# KiCad board DemoBoy.kicad_pcb
title: NES DemoBoy II; date: 2025-11-02; rev: A; company: Richard Weick
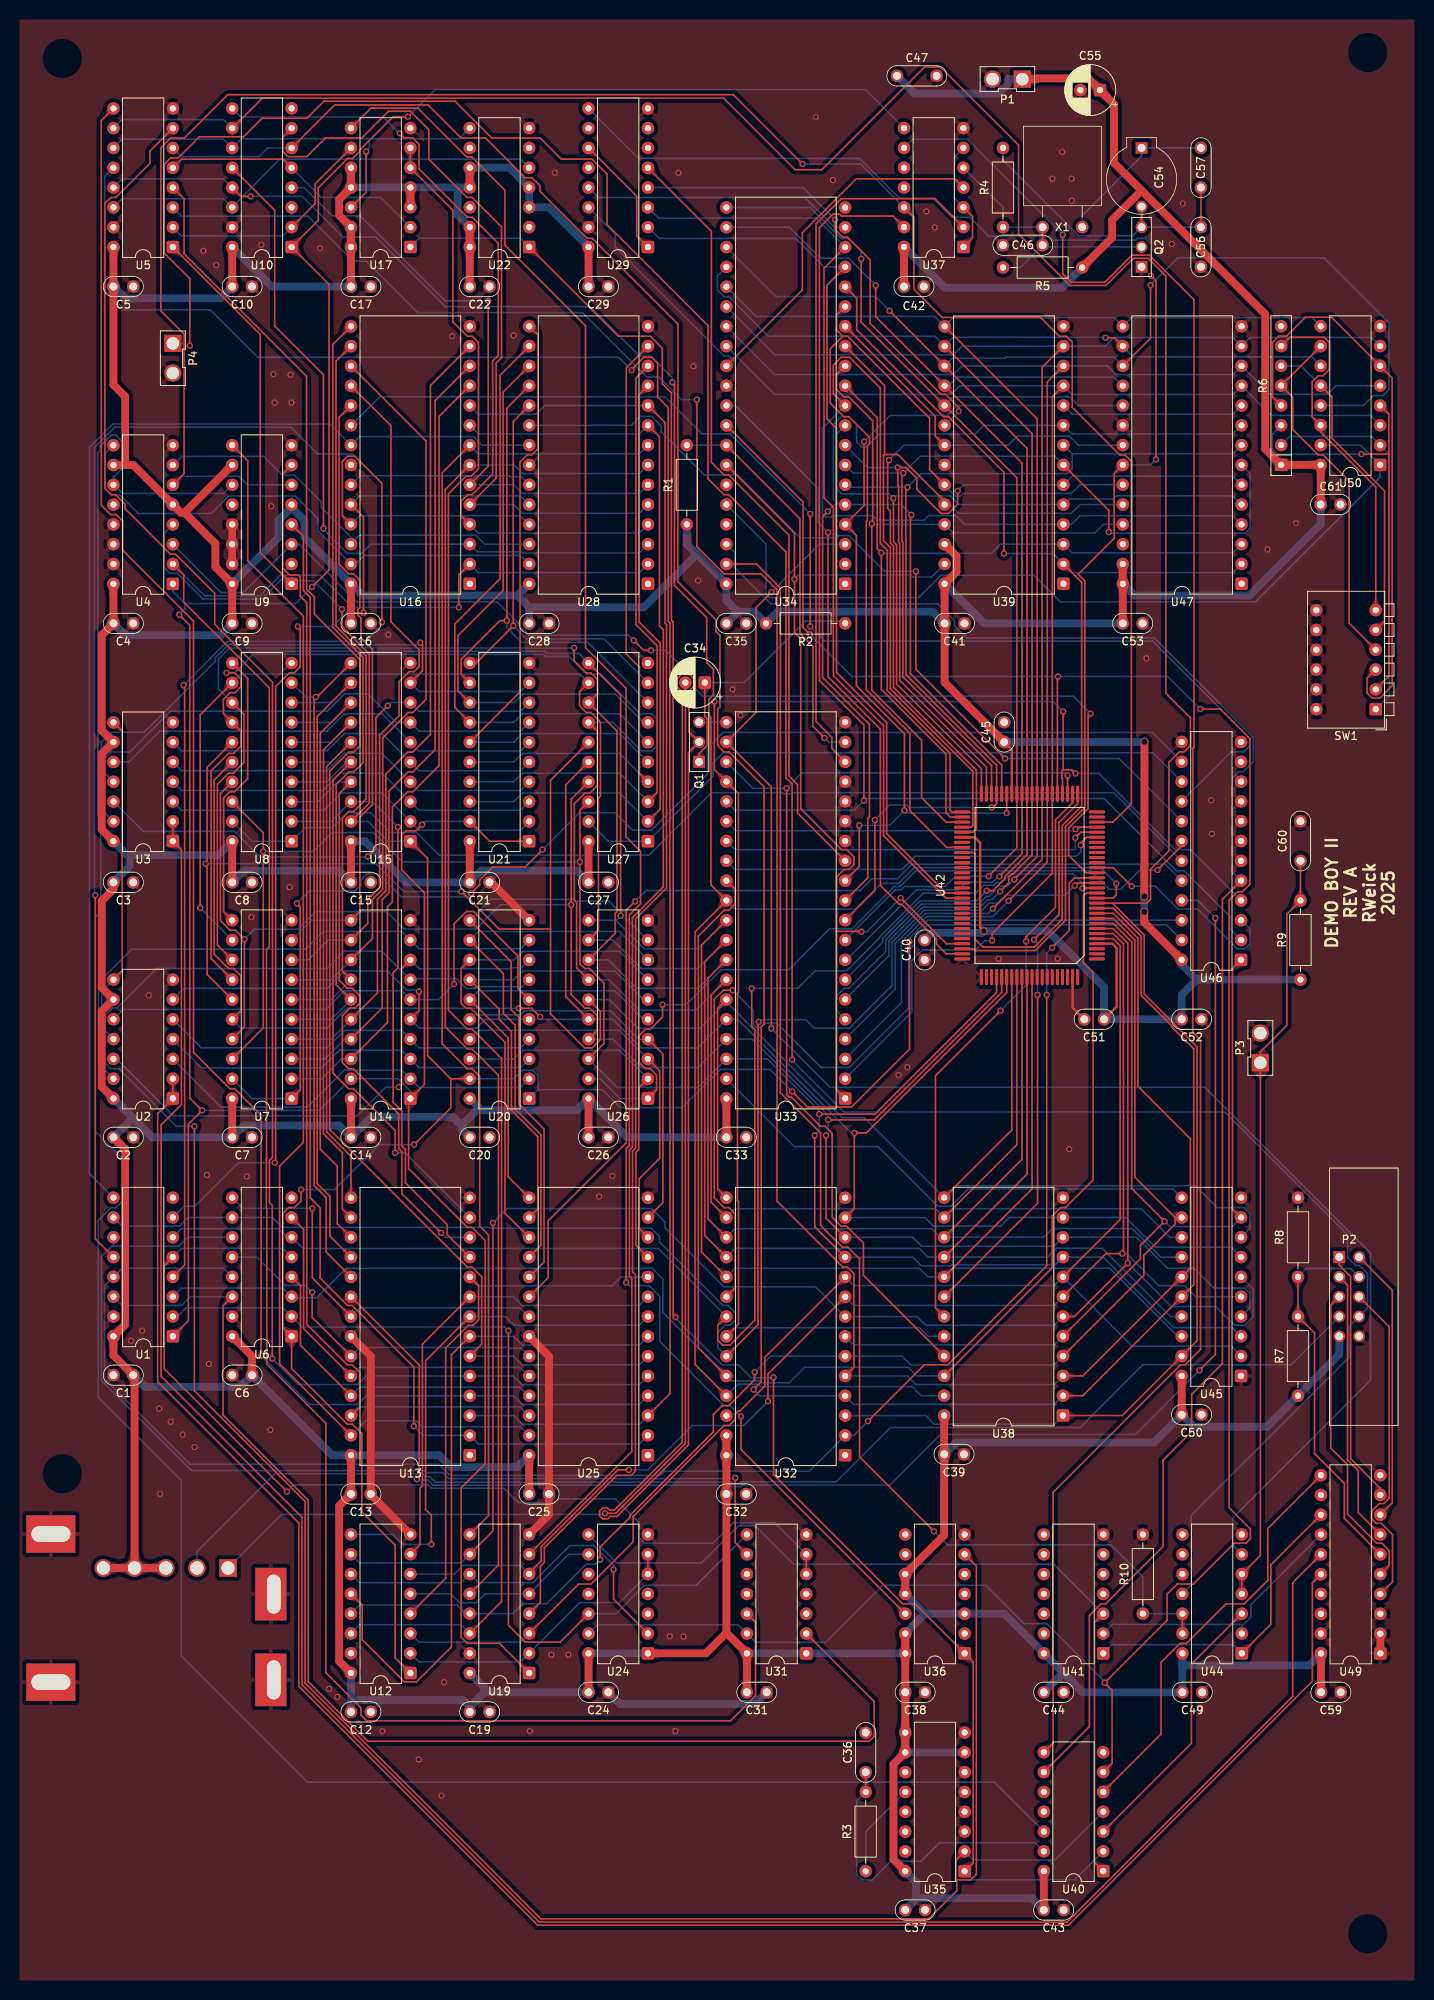
[diagram p0: board, top side]
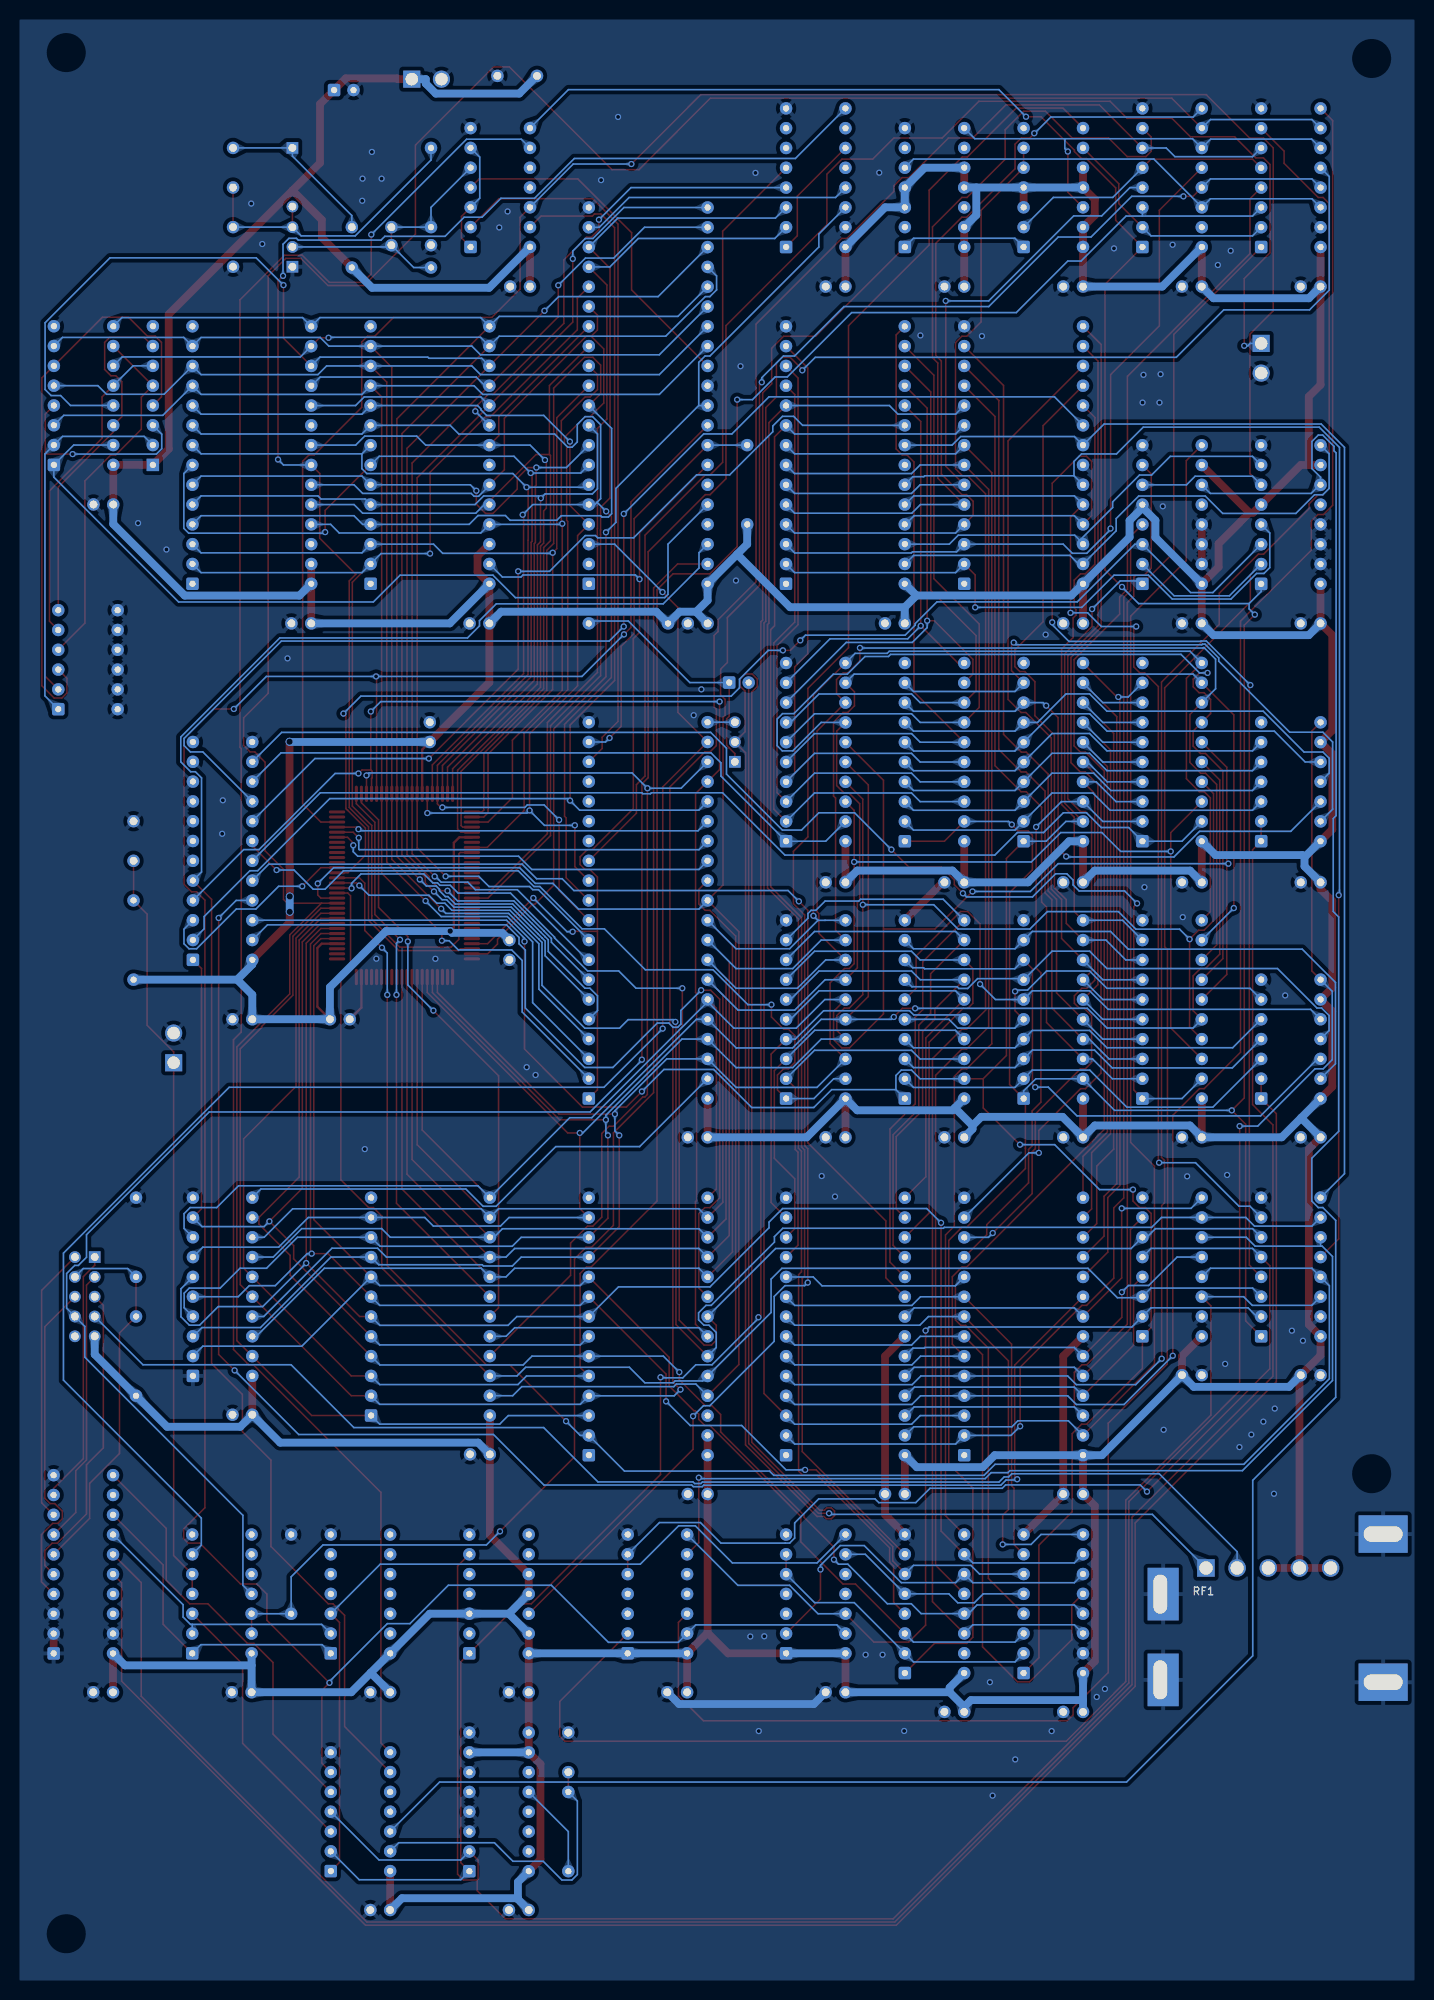
[diagram p1: board, bottom side, seen from below]

Outline 180 x 252.5 mm; copper layers: Top, Bottom. Coordinates in mm from the lower left corner of the outline.
Outline path: rectangle 0,252.5 180,0 ; circle c6,247 r2 ; circle c6,65.5 r2 ; circle c173.5,247.76 r2 ; circle c173.5,6.5 r2

## Placement (name value [footprint] x y rotation side)
C1  10 nF  [Small Cap]  13.83 78.14 90 top
C2  10 nF  [Small Cap]  13.83 108.64 270 top
C3  10 nF  [Small Cap]  13.83 141.34 270 top
C4  10 nF  [Small Cap]  13.83 174.55 270 top
C5  10 nF  [Small Cap]  13.83 217.75 270 top
C6  10 nF  [Small Cap]  29.07 78.14 90 top
C7  10 nF  [Small Cap]  29.07 108.64 270 top
C8  10 nF  [Small Cap]  29.07 141.34 270 top
C9  10 nF  [Small Cap]  29.07 174.55 270 top
C10  10 nF  [Small Cap]  29.07 217.75 270 top
C12  10 nF  [Small Cap]  44.31 34.95 270 top
C13  10 nF  [Small Cap]  44.31 62.89 270 top
C14  10 nF  [Small Cap]  44.31 108.64 270 top
C15  10 nF  [Small Cap]  44.31 141.34 270 top
C16  10 nF  [Small Cap]  44.31 174.55 270 top
C17  10 nF  [Small Cap]  44.31 217.75 270 top
C19  10 nF  [Small Cap]  59.55 34.95 270 top
C20  10 nF  [Small Cap]  59.55 108.64 270 top
C21  10 nF  [Small Cap]  59.55 141.34 270 top
C22  10 nF  [Small Cap]  59.55 217.75 270 top
C24  10 nF  [Small Cap]  74.79 37.47 270 top
C25  10 nF  [Small Cap]  67.17 62.89 270 top
C26  10 nF  [Small Cap]  74.79 108.64 270 top
C27  10 nF  [Small Cap]  74.79 141.34 270 top
C28  10 nF  [Small Cap]  67.18 174.55 270 top
C29  10 nF  [Small Cap]  74.79 217.75 270 top
C31  10 nF  [Small Cap]  95.11 37.47 270 top
C32  10 nF  [Small Cap]  92.48 62.89 270 top
C33  10 nF  [Small Cap]  92.48 108.64 270 top
C34  Jumper  [CP_Radial_D6.3mm_P2.50mm]  88.44 166.96 180 top
C35  10 nF  [Small Cap]  92.48 174.55 270 top
C36  0.47 nF  [Large Cap]  109.08 29.76 0 top
C37  10 nF  [Small Cap]  115.43 9.54 270 top
C38  10 nF  [Small Cap]  115.43 37.47 270 top
C39  10 nF  [Small Cap]  120.42 67.98 270 top
C40  10 nF  [Small Cap]  116.64 132.67 180 top
C41  10 nF  [Small Cap]  120.48 174.55 270 top
C42  10 nF  [Small Cap]  115.27 217.75 270 top
C43  10 nF  [Small Cap]  133.21 9.54 270 top
C44  10 nF  [Small Cap]  133.21 37.47 270 top
C45  10 nF  [Small Cap]  126.85 160.61 0 top
C46  15 pF  [Large Cap]  129.24 223.06 90 top
C47  100 nF  [Large Cap]  115.64 244.77 270 top
C49  10 nF  [Small Cap]  150.99 37.47 270 top
C50  10 nF  [Small Cap]  150.9 73.06 270 top
C51  10 nF  [Small Cap]  138.4 123.78 90 top
C52  10 nF  [Small Cap]  150.9 123.78 270 top
C53  10 nF  [Small Cap]  143.34 174.55 270 top
C54  6.5-30 pF Capacitor Trimmer ***11.70 pF***  [Variable Cap]  144.48 231.77 0 top
C55  10 uF 16V  [CP_Radial_D6.3mm_P2.50mm]  139.14 242.95 180 top
C56  15 pF  [Large Cap]  152.1 222.83 180 top
C57  18 pF  [Large Cap]  152.1 232.99 180 top
C59  10 nF  [Small Cap]  168.77 37.47 270 top
C60  1 uF  [Large Cap]  164.87 146.64 0 top
C61  10 nF  [Small Cap]  168.74 189.8 270 top
P1  Power In  [Molex]  127.26 244.35 90 top
P2  Gameboy Connector  [Horizontal Gameboy Connector]  171.12 88.2 270 top
P3  System Reset Button  [Molex]  159.72 120.11 0 top
P4  Gameboy Reset Button  [Molex]  20.18 208.56 180 top
Q1  2SA937  [Transistor]  87.71 159.34 90 top
Q2  2SC2021  [Transistor]  144.48 222.83 90 top
R1  4.7k Ohms 5%  [R_Axial_DIN0207_L6.3mm_D2.5mm_P10.16mm_Horizontal]  86.13 187.25 90 top
R2  510 Ohms 5%  [R_Axial_DIN0207_L6.3mm_D2.5mm_P10.16mm_Horizontal]  96.29 174.55 0 top
R3  100 Ohms 5%  [R_Axial_DIN0207_L6.3mm_D2.5mm_P10.16mm_Horizontal]  109.08 14.52 90 top
R4  220k Ohms 5%  [R_Axial_DIN0207_L6.3mm_D2.5mm_P10.16mm_Horizontal]  126.7 225.37 90 top
R5  1.2k Ohms 5%  [R_Axial_DIN0207_L6.3mm_D2.5mm_P10.16mm_Horizontal]  136.86 220.19 180 top
R6  4.7K Ohm  [R_Array_SIP8]  162.39 194.88 90 top
R7  680 Ohms 5%  [R_Axial_DIN0207_L6.3mm_D2.5mm_P10.16mm_Horizontal]  164.55 75.5 90 top
R8  10k Ohms 5%  [R_Axial_DIN0207_L6.3mm_D2.5mm_P10.16mm_Horizontal]  164.55 90.74 90 top
R9  4.7k Ohms 5%  [R_Axial_DIN0207_L6.3mm_D2.5mm_P10.16mm_Horizontal]  164.87 128.86 90 top
R10  10K Ohms 5%  [R_Axial_DIN0207_L6.3mm_D2.5mm_P10.16mm_Horizontal]  144.64 47.54 90 top
RF1  NES Video/Audio Out Module  [Mod_RF]  27.59 55.16 180 bottom
SW1  AMP 9146 435802-5  [SW_DIP_SPSTx06_Piano_CTS_Series194-6MSTN_W7.62mm_P2.54mm]  174.52 163.55 180 top
U1  74HC157  [DIP-16_W7.62mm]  20.18 83.12 180 top
U2  74HC164  [DIP-14_W7.62mm]  20.18 113.62 180 top
U3  74HC164  [DIP-14_W7.62mm]  20.18 146.62 180 top
U4  74HC157  [DIP-16_W7.62mm]  20.18 179.62 180 top
U5  74HC157  [DIP-16_W7.62mm]  20.18 222.82 180 top
U6  74HC157  [DIP-16_W7.62mm]  35.42 83.12 180 top
U7  74HC541  [DIP-20_W7.62mm]  35.42 113.61 180 top
U8  74HC541  [DIP-20_W7.62mm]  35.42 146.61 180 top
U9  74HC157  [DIP-16_W7.62mm]  35.42 179.62 180 top
U10  74HC157  [DIP-16_W7.62mm]  35.42 222.82 180 top
U12  74HC157  [DIP-16_W7.62mm]  50.66 39.93 180 top
U13  ~  [DIP-28_W15.24mm]  58.28 67.87 180 top
U14  74HC541  [DIP-20_W7.62mm]  50.66 113.61 180 top
U15  74HC541  [DIP-20_W7.62mm]  50.66 146.61 180 top
U16  ~  [DIP-28_W15.24mm]  58.28 179.63 180 top
U17  74HC197  [DIP-14_W7.62mm]  50.66 222.83 180 top
U19  74HC157  [DIP-16_W7.62mm]  65.9 39.93 180 top
U20  74HC541  [DIP-20_W7.62mm]  65.9 113.61 180 top
U21  74HC541  [DIP-20_W7.62mm]  65.9 146.61 180 top
U22  74HC197  [DIP-14_W7.62mm]  65.9 222.83 180 top
U24  74HC197  [DIP-14_W7.62mm]  81.14 42.46 180 top
U25  ~  [DIP-28_W15.24mm]  81.14 67.87 180 top
U26  74HC541  [DIP-20_W7.62mm]  81.14 113.61 180 top
U27  74HC541  [DIP-20_W7.62mm]  81.14 146.61 180 top
U28  ~  [DIP-28_W15.24mm]  81.15 179.63 180 top
U29  74HC139  [DIP-16_W7.62mm]  81.14 222.82 180 top
U31  74HC197  [DIP-14_W7.62mm]  101.46 42.46 180 top
U32  27C64 - CHR  [DIP-28_W15.24mm]  106.45 67.87 180 top
U33  RP2C02 PPU  [DIP-40_W15.24mm]  106.45 113.62 180 top
U34  RP2A03 CPU  [DIP-40_W15.24mm]  106.45 179.63 180 top
U35  74HC161  [DIP-16_W7.62mm]  121.78 14.52 180 top
U36  74HC197  [DIP-14_W7.62mm]  121.78 42.46 180 top
U37  74HC04  [DIP-14_W7.62mm]  121.62 222.83 180 top
U38  ~  [DIP-24_W15.24mm]  134.39 72.96 180 top
U39  ~  [DIP-28_W15.24mm]  134.45 179.63 180 top
U40  74HC04  [DIP-14_W7.62mm]  139.56 14.53 180 top
U41  74HC08  [DIP-14_W7.62mm]  139.56 42.46 180 top
U42  ~  [QFP-100_20x14_Pitch0.65mm]  130.1 140.95 90 top
U44  74HC32  [DIP-14_W7.62mm]  157.34 42.46 180 top
U45  74HC373  [DIP-20_W7.62mm]  157.25 78.04 180 top
U46  ~  [DIP-24_W7.62mm]  157.25 131.4 180 top
U47  27C64 - PRG  [DIP-28_W15.24mm]  157.31 179.63 180 top
U49  74HC541  [DIP-20_W7.62mm]  175.12 42.45 180 top
U50  74HC368  [DIP-16_W7.62mm]  175.09 194.88 180 top
X1  26.601712 MHz or 21.47727 MHz  [Crystal]  134.32 225.37 0 top

## Library data of the parts
C1-C10 C12-C17 C19-C22 C24-C29 C31-C33 C35-C47 C49-C53 C56 C57 C59-C61 = -: ki_fp_filters: C_*
C34 C55 = -: ki_fp_filters: CP_*
P1 P3 P4 = -: ki_fp_filters: Connector*:*_1x??_*
P2 = -: ki_fp_filters: Connector*:*_2x??_*
R1-R5 R7-R10 = -: ki_fp_filters: R_*
R6 = -: ki_fp_filters: R?Array?SIP*
RF1 = -: Description: Generic connector, single row, 01x06, script generated; ki_fp_filters: Connector*:*_1x??_*
SW1 = -: ki_fp_filters: SW?DIP?x6*
U1 U4-U6 U9 U10 U12 U19 U29 U35 U50 = -: ki_fp_filters: DIP?16*
U2 U3 = -: ki_fp_filters: SOIC*3.9x8.7*P1.27mm* ?SSOP*P0.65mm* DIP*W7.62mm*
U7 U8 U14 U15 U20 U21 U26 U27 U49 = -: ki_fp_filters: DIP?20*
U17 U22 U24 U31 U36 U41 = -: ki_fp_filters: DIP*W7.62mm*
U32 U47 = -: ki_fp_filters: DIP*W15.24mm*
U37 U40 = -: ki_fp_filters: DIP*W7.62mm* SSOP?14* TSSOP?14*
U44 = -: ki_fp_filters: DIP?14*
U45 = -: ki_fp_filters: DIP?20* SOIC?20* SO?20* SSOP?20* TSSOP?20*
X1 = -: ki_fp_filters: Crystal*

## Footprints (pads in the part's own frame, mm; a bottom-side part is the same pattern mirrored in y, then rotated)
CP_Radial_D6.3mm_P2.50mm
  rrect 1.6x1.6 hole 0.8: 1(0,0)
  round 1.6 hole 0.8: 2(2.5,0)
Crystal
  round 1.6 hole 1: 1(-2.54,0) 2(2.54,0)
DIP-14_W7.62mm
  rrect 1.6x1.6 hole 0.8: 1(0,0)
  round 1.6 hole 0.8: 2(0,-2.54) 3(0,-5.08) 4(0,-7.62) 5(0,-10.16) 6(0,-12.7) 7(0,-15.24) 8(7.62,-15.24) 9(7.62,-12.7) 10(7.62,-10.16) 11(7.62,-7.62) 12(7.62,-5.08) 13(7.62,-2.54) 14(7.62,0)
DIP-16_W7.62mm
  rrect 1.6x1.6 hole 0.8: 1(0,0)
  round 1.6 hole 0.8: 2(0,-2.54) 3(0,-5.08) 4(0,-7.62) 5(0,-10.16) 6(0,-12.7) 7(0,-15.24) 8(0,-17.78) 9(7.62,-17.78) 10(7.62,-15.24) 11(7.62,-12.7) 12(7.62,-10.16) 13(7.62,-7.62) 14(7.62,-5.08) 15(7.62,-2.54) 16(7.62,0)
DIP-20_W7.62mm
  rrect 1.6x1.6 hole 0.8: 1(0,0)
  round 1.6 hole 0.8: 2(0,-2.54) 3(0,-5.08) 4(0,-7.62) 5(0,-10.16) 6(0,-12.7) 7(0,-15.24) 8(0,-17.78) 9(0,-20.32) 10(0,-22.86) 11(7.62,-22.86) 12(7.62,-20.32) 13(7.62,-17.78) 14(7.62,-15.24) 15(7.62,-12.7) 16(7.62,-10.16) 17(7.62,-7.62) 18(7.62,-5.08) 19(7.62,-2.54) 20(7.62,0)
DIP-24_W7.62mm
  rrect 1.6x1.6 hole 0.8: 1(0,0)
  round 1.6 hole 0.8: 2(0,-2.54) 3(0,-5.08) 4(0,-7.62) 5(0,-10.16) 6(0,-12.7) 7(0,-15.24) 8(0,-17.78) 9(0,-20.32) 10(0,-22.86) 11(0,-25.4) 12(0,-27.94) 13(7.62,-27.94) 14(7.62,-25.4) 15(7.62,-22.86) 16(7.62,-20.32) 17(7.62,-17.78) 18(7.62,-15.24) 19(7.62,-12.7) 20(7.62,-10.16) 21(7.62,-7.62) 22(7.62,-5.08) 23(7.62,-2.54) 24(7.62,0)
DIP-24_W15.24mm
  rrect 1.6x1.6 hole 0.8: 1(0,0)
  round 1.6 hole 0.8: 2(0,-2.54) 3(0,-5.08) 4(0,-7.62) 5(0,-10.16) 6(0,-12.7) 7(0,-15.24) 8(0,-17.78) 9(0,-20.32) 10(0,-22.86) 11(0,-25.4) 12(0,-27.94) 13(15.24,-27.94) 14(15.24,-25.4) 15(15.24,-22.86) 16(15.24,-20.32) 17(15.24,-17.78) 18(15.24,-15.24) 19(15.24,-12.7) 20(15.24,-10.16) 21(15.24,-7.62) 22(15.24,-5.08) 23(15.24,-2.54) 24(15.24,0)
DIP-28_W15.24mm
  rrect 1.6x1.6 hole 0.8: 1(0,0)
  round 1.6 hole 0.8: 2(0,-2.54) 3(0,-5.08) 4(0,-7.62) 5(0,-10.16) 6(0,-12.7) 7(0,-15.24) 8(0,-17.78) 9(0,-20.32) 10(0,-22.86) 11(0,-25.4) 12(0,-27.94) 13(0,-30.48) 14(0,-33.02) 15(15.24,-33.02) 16(15.24,-30.48) 17(15.24,-27.94) 18(15.24,-25.4) 19(15.24,-22.86) 20(15.24,-20.32) 21(15.24,-17.78) 22(15.24,-15.24) 23(15.24,-12.7) 24(15.24,-10.16) 25(15.24,-7.62) 26(15.24,-5.08) 27(15.24,-2.54) 28(15.24,0)
DIP-40_W15.24mm
  rrect 1.6x1.6 hole 0.8: 1(0,0)
  round 1.6 hole 0.8: 2(0,-2.54) 3(0,-5.08) 4(0,-7.62) 5(0,-10.16) 6(0,-12.7) 7(0,-15.24) 8(0,-17.78) 9(0,-20.32) 10(0,-22.86) 11(0,-25.4) 12(0,-27.94) 13(0,-30.48) 14(0,-33.02) 15(0,-35.56) 16(0,-38.1) 17(0,-40.64) 18(0,-43.18) 19(0,-45.72) 20(0,-48.26) 21(15.24,-48.26) 22(15.24,-45.72) 23(15.24,-43.18) 24(15.24,-40.64) 25(15.24,-38.1) 26(15.24,-35.56) 27(15.24,-33.02) 28(15.24,-30.48) 29(15.24,-27.94) 30(15.24,-25.4) 31(15.24,-22.86) 32(15.24,-20.32) 33(15.24,-17.78) 34(15.24,-15.24) 35(15.24,-12.7) 36(15.24,-10.16) 37(15.24,-7.62) 38(15.24,-5.08) 39(15.24,-2.54) 40(15.24,0)
Horizontal Gameboy Connector
  rect 1.5x1.5 hole 1: 1(-5.08,-1.27)
  round 1.5 hole 1: 2(-5.08,1.27) 3(-2.54,-1.27) 4(-2.54,1.27) 5(0,-1.27) 6(0,1.27) 7(2.54,-1.27) 8(2.54,1.27) 9(5.08,-1.27) 10(5.08,1.27)
Large Cap
  round 1.6 hole 1: 1(0,-2.54) 2(0,2.54)
Mod_RF
  rect 2.25x2.25 hole 1.7: 1(0.33,-1.75)
  round 2.25 hole 1.7: 2(4.33,-1.75) 3(8.33,-1.75) 4(12.33,-1.75) 5(16.33,-1.75)
  rect 4x6.75 hole 1.75x5: 6(-5.53,-16.1) 6(-5.53,-5.1)
  rect 6.3x4.8 hole 5x2: 6(23.07,-16.4) 6(23.07,2.6)
Molex
  rect 2.2x2.2 hole 1.6: 1(0,-1.905)
  round 2.2 hole 1.6: 2(0,1.905)
QFP-100_20x14_Pitch0.65mm
  oval 0.4x2.1 smd: 1(-9.425,-8.65) 2(-8.775,-8.65) 3(-8.125,-8.65) 4(-7.475,-8.65) 5(-6.825,-8.65) 6(-6.175,-8.65) 7(-5.525,-8.65) 8(-4.875,-8.65) 9(-4.225,-8.65) 10(-3.575,-8.65) 11(-2.925,-8.65) 12(-2.275,-8.65) 13(-1.625,-8.65) 14(-0.975,-8.65) 15(-0.325,-8.65) 16(0.325,-8.65) 17(0.975,-8.65) 18(1.625,-8.65) 19(2.275,-8.65) 20(2.925,-8.65) 21(3.575,-8.65) 22(4.225,-8.65) 23(4.875,-8.65) 24(5.525,-8.65) 25(6.175,-8.65) 26(6.825,-8.65) 27(7.475,-8.65) 28(8.125,-8.65) 29(8.775,-8.65) 30(9.425,-8.65) 51(9.425,8.65) 52(8.775,8.65) 53(8.125,8.65) 54(7.475,8.65) 55(6.825,8.65) 56(6.175,8.65) 57(5.525,8.65) 58(4.875,8.65) 59(4.225,8.65) 60(3.575,8.65) 61(2.925,8.65) 62(2.275,8.65) 63(1.625,8.65) 64(0.975,8.65) 65(0.325,8.65) 66(-0.325,8.65) 67(-0.975,8.65) 68(-1.625,8.65) 69(-2.275,8.65) 70(-2.925,8.65) 71(-3.575,8.65) 72(-4.225,8.65) 73(-4.875,8.65) 74(-5.525,8.65) 75(-6.175,8.65) 76(-6.825,8.65) 77(-7.475,8.65) 78(-8.125,8.65) 79(-8.775,8.65) 80(-9.425,8.65)
  oval 2.1x0.4 smd: 31(11.75,-6.175) 32(11.75,-5.525) 33(11.75,-4.875) 34(11.75,-4.225) 35(11.75,-3.575) 36(11.75,-2.925) 37(11.75,-2.275) 38(11.75,-1.625) 39(11.75,-0.975) 40(11.75,-0.325) 41(11.75,0.325) 42(11.75,0.975) 43(11.75,1.625) 44(11.75,2.275) 45(11.75,2.925) 46(11.75,3.575) 47(11.75,4.225) 48(11.75,4.875) 49(11.75,5.525) 50(11.75,6.175) 81(-11.75,6.175) 82(-11.75,5.525) 83(-11.75,4.875) 84(-11.75,4.225) 85(-11.75,3.575) 86(-11.75,2.925) 87(-11.75,2.275) 88(-11.75,1.625) 89(-11.75,0.975) 90(-11.75,0.325) 91(-11.75,-0.325) 92(-11.75,-0.975) 93(-11.75,-1.625) 94(-11.75,-2.275) 95(-11.75,-2.925) 96(-11.75,-3.575) 97(-11.75,-4.225) 98(-11.75,-4.875) 99(-11.75,-5.525) 100(-11.75,-6.175)
R_Array_SIP8
  rect 1.6x1.6 hole 0.8: 1(0,0)
  round 1.6 hole 0.8: 2(2.54,0) 3(5.08,0) 4(7.62,0) 5(10.16,0) 6(12.7,0) 7(15.24,0) 8(17.78,0)
R_Axial_DIN0207_L6.3mm_D2.5mm_P10.16mm_Horizontal
  round 1.6 hole 0.8: 1(0,0) 2(10.16,0)
Small Cap
  round 1.6 hole 1: 1(0,-1.27) 2(0,1.27)
SW_DIP_SPSTx06_Piano_CTS_Series194-6MSTN_W7.62mm_P2.54mm
  rrect 1.6x1.6 hole 0.8: 1(0,0)
  round 1.6 hole 0.8: 2(0,-2.54) 3(0,-5.08) 4(0,-7.62) 5(0,-10.16) 6(0,-12.7) 7(7.62,-12.7) 8(7.62,-10.16) 9(7.62,-7.62) 10(7.62,-5.08) 11(7.62,-2.54) 12(7.62,0)
Transistor
  rect 1.5x1.5 hole 1: 1(-2.54,0)
  round 1.5 hole 1: 2(0,0) 3(2.54,0)
Variable Cap
  rect 1.5x1.5 hole 1: 1(0,3.76)
  round 1.5 hole 1: 2(0,-3.76)

## Nets
/+5V: C1.1 C2.1 C3.1 C4.1 C5.1 C6.1 C7.1 C8.1 C9.1 C10.1 C12.1 C13.1 C14.1 C15.1 C16.1 C17.1 C19.1 C20.1 C21.1 C22.1 C24.1 C25.1 C26.1 C27.1 C28.1 C29.1 C31.1 C32.1 C33.1 C35.1 C37.1 C38.1 C39.1 C40.1 C41.1 C42.1 C43.1 C44.1 C45.1 C47.1 C49.1 C50.1 C51.1 C52.1 C53.1 C55.1 C59.1 C61.1 P1.1 P2.9 R1.1 R2.1 R5.1 R6.1 R7.1 R9.1 RF1.3 RF1.4 RF1.5 U1.16 U2.9 U2.14 U3.9 U3.14 U4.5 U4.10 U4.16 U5.16 U6.16 U7.20 U8.20 U9.5 U9.10 U9.16 U10.16 U12.16 U13.28 U14.20 U15.20 U16.28 U17.3 U17.4 U17.10 U17.11 U17.13 U17.14 U19.16 U20.20 U21.20 U22.3 U22.4 U22.10 U22.11 U22.13 U22.14 U24.1 U24.14 U25.28 U26.20 U27.20 U28.28 U29.16 U31.1 U31.14 U32.27 U32.28 U33.40 U34.40 U35.7 U35.9 U35.10 U35.16 U36.3 U36.10 U36.11 U36.13 U36.14 U37.14 U38.24 U39.26 U39.28 U40.14 U41.14 U42.4 U42.44 U42.56 U44.14 U45.20 U46.24 U47.27 U47.28 U49.20 U50.16
/GND: C1.2 C2.2 C3.2 C4.2 C5.2 C6.2 C7.2 C8.2 C9.2 C10.2 C12.2 C13.2 C14.2 C15.2 C16.2 C17.2 C19.2 C20.2 C21.2 C22.2 C24.2 C25.2 C26.2 C27.2 C28.2 C29.2 C31.2 C32.2 C33.2 C35.2 C36.2 C37.2 C38.2 C39.2 C40.2 C41.2 C42.2 C43.2 C44.2 C45.2 C46.2 C47.2 C49.2 C50.2 C51.2 C52.2 C53.2 C55.2 C56.2 C59.2 C60.2 C61.2 P1.2 P2.10 P3.2 P4.2 Q1.2 Q2.1 R8.2 R10.2 RF1.6 SW1.7 SW1.8 SW1.9 SW1.10 SW1.11 SW1.12 U1.8 U1.15 U2.7 U3.7 U4.8 U4.13 U4.14 U4.15 U5.8 U5.15 U6.8 U6.15 U7.10 U8.10 U9.8 U9.13 U9.14 U9.15 U10.8 U10.15 U12.8 U12.15 U13.14 U13.22 U14.10 U15.10 U16.14 U16.22 U17.7 U19.8 U19.15 U20.10 U21.10 U22.7 U24.7 U25.14 U25.22 U26.10 U27.10 U28.14 U28.22 U29.8 U29.15 U31.7 U32.14 U33.14 U33.15 U33.16 U33.17 U33.20 U34.20 U34.30 U35.3 U35.4 U35.5 U35.6 U35.8 U36.7 U37.7 U38.12 U39.14 U39.22 U40.7 U41.7 U42.80 U42.81 U42.99 U44.7 U45.1 U45.10 U46.6 U46.7 U46.8 U46.9 U46.10 U46.11 U46.12 U46.13 U47.14 U47.20 U49.1 U49.2 U49.3 U49.10 U49.19 U50.8
/!(ST&CP).Gameboy: U17.1 U22.1 U35.1 U36.1 U40.2
/!RAM.~{WE}.EN: R3.1 U35.12
/CHR.A10: U1.6 U6.6 U32.21 U42.15
/CHR.A11: U1.10 U6.10 U32.23 U42.16
/CHR.A12: U1.13 U6.13 U32.2 U42.17
/CHR.A13: U4.3 U9.3 U42.18
/CHR.A14: U42.19 U46.3
/CHR.ROM.~{CE}: U32.20 U46.23
/CIRAM.A10: U38.19 U42.32
/CIRAM.~{CE}: U38.18 U42.31
/CP.Gameboy: U41.2 U44.2 U49.14
/CPU.A0: U33.12 U34.4 U39.10 U42.45 U47.10
/CPU.A1: U33.11 U34.5 U39.9 U42.46 U47.9
/CPU.A2: U33.10 U34.6 U39.8 U42.47 U47.8
/CPU.A3: U34.7 U39.7 U42.48 U47.7
/CPU.A4: U34.8 U39.6 U42.49 U47.6
/CPU.A5: U34.9 U39.5 U42.50 U47.5
/CPU.A6: U34.10 U39.4 U42.51 U47.4
/CPU.A7: U34.11 U39.3 U42.52 U47.3
/CPU.A8: U34.12 U39.25 U42.53 U47.25
/CPU.A9: U34.13 U39.24 U42.54 U47.24
/CPU.A10: U34.14 U39.21 U42.55 U47.21
/CPU.A11: U34.15 U39.23 U42.58 U47.23
/CPU.A12: U34.16 U39.2 U42.59 U47.2
/CPU.A13: U29.2 U34.17 U42.67
/CPU.A14: U29.3 U34.18 U42.68
/CPU.A15: U29.13 U34.19
/CPU.CLK: U34.29 U37.4
/CPU.D0: U33.2 U34.28 U39.11 U42.36 U47.11 U50.3
/CPU.D1: U33.3 U34.27 U39.12 U42.37 U47.12 U50.5
/CPU.D2: U33.4 U34.26 U39.13 U42.38 U47.13 U50.7
/CPU.D3: U33.5 U34.25 U39.15 U42.39 U47.15 U50.9
/CPU.D4: U33.6 U34.24 U39.16 U42.40 U47.16 U50.11
/CPU.D5: U33.7 U34.23 U39.17 U42.41 U47.17 U50.13
/CPU.D6: U33.8 U34.22 U39.18 U42.42 U47.18
/CPU.D7: U33.9 U34.21 U39.19 U42.43 U47.19
/CPU.Out.0: R10.1 U34.39 U44.12 U44.13
/CPU.Out.1: U34.38 U40.9 U46.5
/CPU.RAM.~{CE1}: U29.4 U39.20
/CPU.R~{W}: U33.1 U34.34 U39.27 U42.77
/CPU.~{OE1}: U34.36 U50.1 U50.15
/Gameboy.CP: P2.4 R7.2 R8.1 U49.6
/Gameboy.CPL: P2.2 U49.8
/Gameboy.LD0: P2.6 U49.4
/Gameboy.LD1: P2.5 U49.5
/Gameboy.Reset: P2.8 P4.1 U44.11
/Gameboy.S: P2.1 U49.9
/Gameboy.Speaker: P2.7 RF1.2
/Gameboy.ST: P2.3 U49.7
/LD0.Gameboy: U2.1 U2.2 U49.16
/LD0.Q0: U2.3 U14.2 U20.2
/LD0.Q1: U2.4 U14.3 U20.3
/LD0.Q2: U2.5 U14.4 U20.4
/LD0.Q3: U2.6 U14.5 U20.5
/LD0.Q4: U2.10 U14.6 U20.6
/LD0.Q5: U2.11 U14.7 U20.7
/LD0.Q6: U2.12 U14.8 U20.8
/LD0.Q7: U2.13 U14.9 U20.9
/LD0.RAM0.Out.EN: U7.1 U7.19 U46.14
/LD0.RAM1.Out.EN: U26.1 U26.19 U46.18
/LD1.Gameboy: U3.1 U3.2 U49.15
/LD1.Q0: U3.3 U15.2 U21.2
/LD1.Q1: U3.4 U15.3 U21.3
/LD1.Q2: U3.5 U15.4 U21.4
/LD1.Q3: U3.6 U15.5 U21.5
/LD1.Q4: U3.10 U15.6 U21.6
/LD1.Q5: U3.11 U15.7 U21.7
/LD1.Q6: U3.12 U15.8 U21.8
/LD1.Q7: U3.13 U15.9 U21.9
/LD1.RAM2.Out.EN: U8.1 U8.19 U46.19
/LD1.RAM3.Out.EN: U27.1 U27.19 U46.15
/LD.164.CP: U2.8 U3.8 U35.2 U36.6 U40.4
/LD.RAM0-3.In.EN: U1.1 U4.1 U10.1 U14.1 U14.19 U19.1 U21.1 U21.19 U37.8
/LD.RAM1-2.In.EN: U5.1 U6.1 U9.1 U12.1 U15.1 U15.19 U20.1 U20.19 U46.22
/M2: U29.14 U34.31 U42.79
/NES.Video: C34.2 RF1.1
/PPU.A0: U12.3 U19.3 U32.10 U38.8 U42.5 U45.2
/PPU.A1: U12.6 U19.6 U32.9 U38.7 U42.6 U45.5
/PPU.A2: U12.10 U19.10 U32.8 U38.6 U42.7 U45.6
/PPU.A3: U32.7 U38.5 U42.8 U45.9 U46.1
/PPU.A4: U12.13 U19.13 U32.6 U38.4 U42.9 U45.12
/PPU.A5: U5.3 U10.3 U32.5 U38.3 U42.10 U45.15
/PPU.A6: U5.6 U10.6 U32.4 U38.2 U42.11 U45.16
/PPU.A7: U5.10 U10.10 U32.3 U38.1 U42.12 U45.19
/PPU.A8: U5.13 U10.13 U32.25 U33.30 U38.23 U42.13
/PPU.A9: U1.3 U6.3 U32.24 U33.29 U38.22 U42.14
/PPU.A10: U33.28 U42.25
/PPU.A11: U33.27 U42.26
/PPU.A12: U33.26 U42.27
/PPU.A13: U33.25 U37.13 U46.2
/PPU.ALE: U33.39 U45.11
/PPU.CLK: U33.18 U37.2
/PPU.D0: U7.18 U8.18 U26.18 U27.18 U32.11 U33.38 U38.9 U42.84 U45.3
/PPU.D1: U7.17 U8.17 U26.17 U27.17 U32.12 U33.37 U38.10 U42.85 U45.4
/PPU.D2: U7.16 U8.16 U26.16 U27.16 U32.13 U33.36 U38.11 U42.86 U45.7
/PPU.D3: U7.15 U8.15 U26.15 U27.15 U32.15 U33.35 U38.13 U42.87 U45.8
/PPU.D4: U7.14 U8.14 U26.14 U27.14 U32.16 U33.34 U38.14 U42.88 U45.13
/PPU.D5: U7.13 U8.13 U26.13 U27.13 U32.17 U33.33 U38.15 U42.89 U45.14
/PPU.D6: U7.12 U8.12 U26.12 U27.12 U32.18 U33.32 U38.16 U42.90 U45.17
/PPU.D7: U7.11 U8.11 U26.11 U27.11 U32.19 U33.31 U38.17 U42.91 U45.18
/PPU.~{A13}: U4.6 U9.6 U37.12 U42.28
/PPU.~{CS}: U29.5 U33.13
/PPU.~{RD}: U32.22 U33.24 U38.20 U42.34 U46.4
/PPU.~{WR}: U33.23 U38.21 U42.33
/RAM0-3.A0: U16.10 U19.4 U28.10
/RAM0-3.A1: U16.9 U19.7 U28.9
/RAM0-3.A2: U16.8 U19.9 U28.8
/RAM0-3.A3: U16.7 U19.12 U28.7
/RAM0-3.A4: U10.4 U16.6 U28.6
/RAM0-3.A5: U10.7 U16.5 U28.5
/RAM0-3.A6: U10.9 U16.4 U28.4
/RAM0-3.A7: U10.12 U16.3 U28.3
/RAM0-3.A8: U1.4 U16.25 U28.25
/RAM0-3.A9: U1.7 U16.24 U28.24